# KiCad board merisi_ob.kicad_pcb
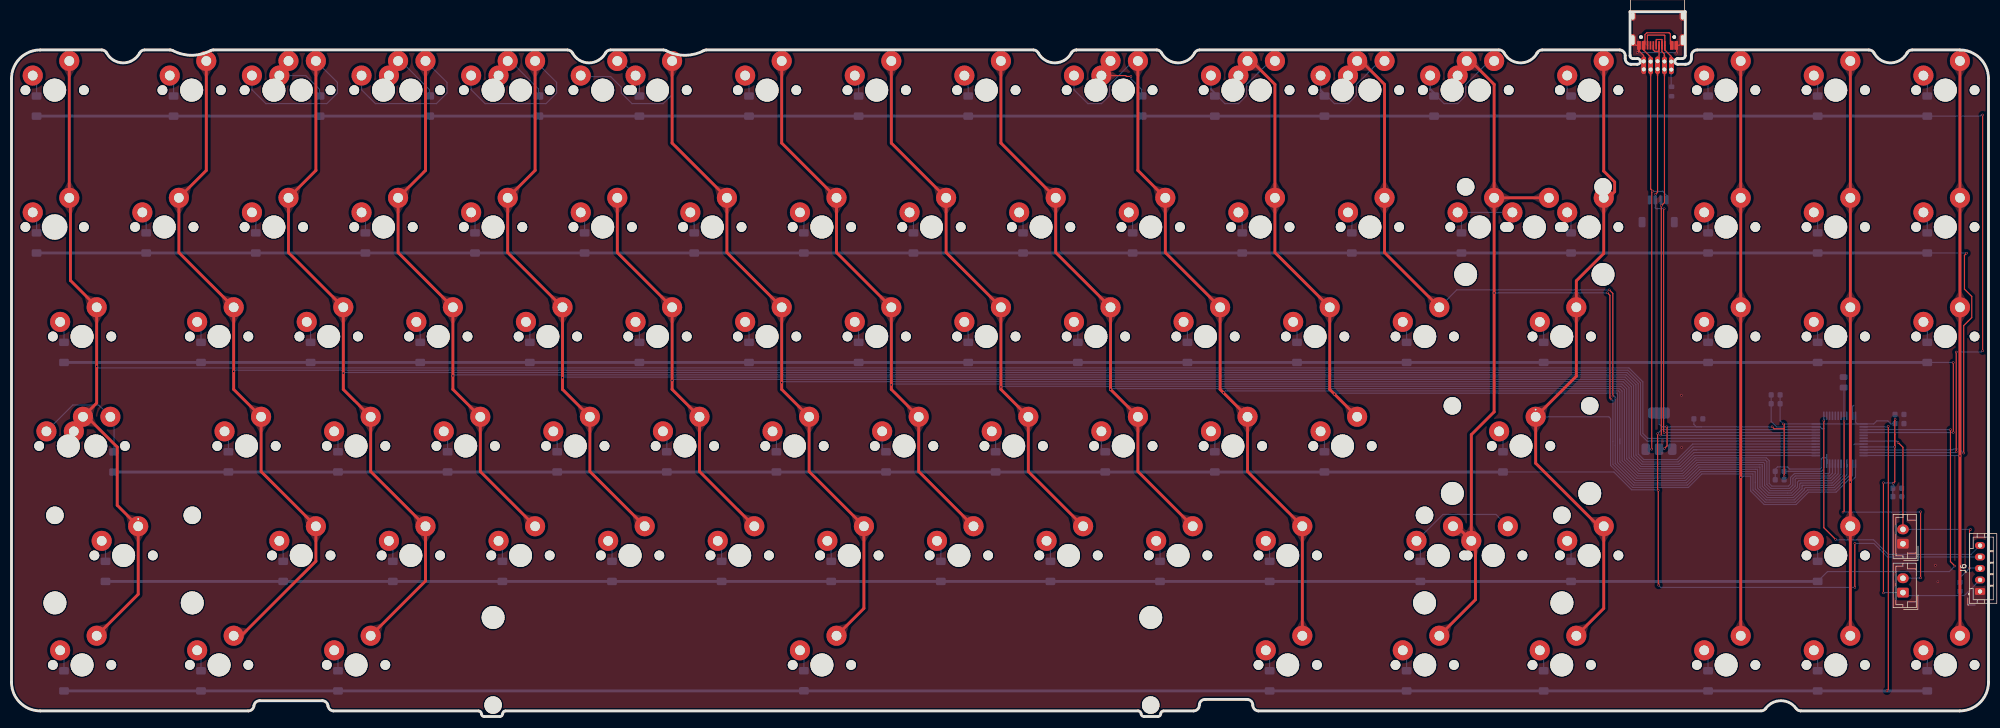
[diagram p0: board, top side]
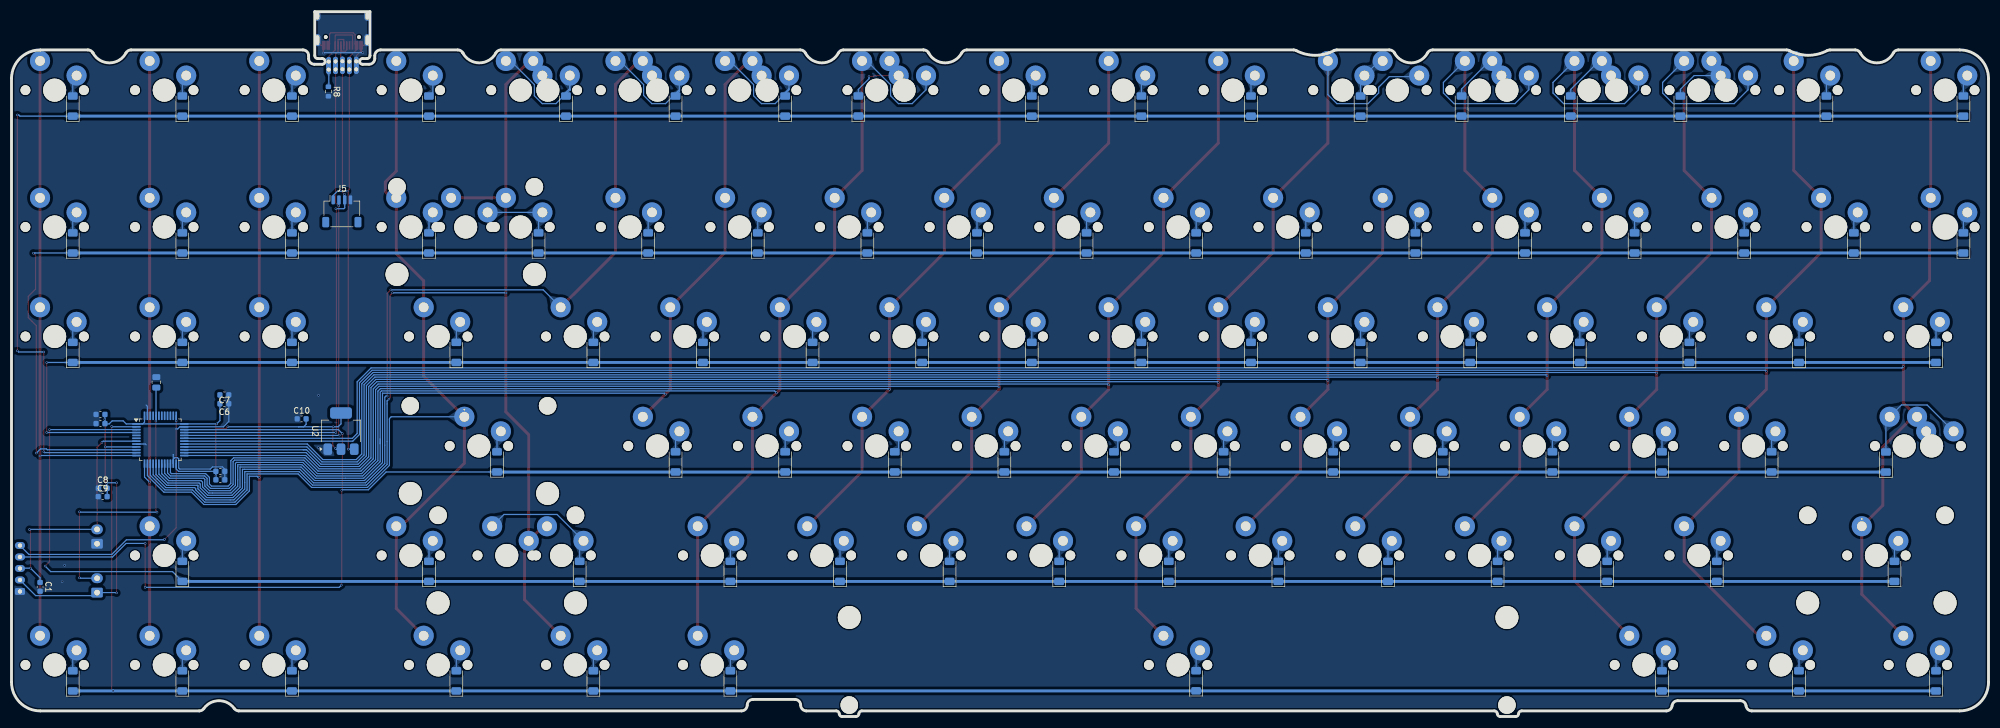
[diagram p1: board, bottom side, seen from below]

Outline 343.61 x 122.64 mm; copper layers: Top, Bottom. Coordinates in mm from the lower left corner of the outline.
Outline path: circle c7.5,85.17 r1.99 ; 0,110.99 0,5.97 arc(1.47,2.44) 5,0.97 41.14,0.97 arc(41.81,1.23) 42.14,1.86 arc(42.47,2.5) 43.13,2.75 54.01,2.75 arc(54.68,2.5) 55,1.86 arc(55.33,1.23) 56,0.98 81.17,0.98 arc(81.52,0.83) 81.67,0.49 arc(81.82,0.13) 82.19,0 84.89,0 arc(85.23,0.15) 85.37,0.49 arc(85.53,0.83) 85.87,0.97 195.83,0.97 arc(196.18,0.83) 196.33,0.49 arc(196.48,0.14) 196.85,0 199.27,0 arc(199.61,0.15) 199.75,0.49 arc(199.9,0.83) 200.24,0.97 205.45,0.97 arc(206.16,1.27) 206.45,1.97 arc(206.74,2.68) 207.45,2.97 214.74,2.97 arc(215.45,2.68) 215.74,1.97 arc(216.04,1.27) 216.74,0.97 304.09,0.97 arc(304.54,1.09) 304.9,1.39 arc(307.54,2.75) 310.18,1.39 arc(310.54,1.09) 310.99,0.98 338.61,0.97 arc(342.15,2.44) 343.61,5.98 343.61,111.05 arc(342.13,114.55) 338.61,115.99 330.34,115.99 arc(329.82,115.84) 329.46,115.46 arc(326.59,113.73) 323.72,115.46 arc(323.35,115.84) 322.84,115.99 292.97,115.99 arc(292.26,115.69) 291.97,114.99 291.97,114.49 arc(291.68,113.78) 290.97,113.49 289.61,113.49 arc(289.11,113.99) 289.61,114.49 290.41,114.49 arc(290.76,114.63) 290.91,114.99 290.91,122.64 281.31,122.64 281.31,114.98 arc(281.46,114.63) 281.81,114.49 282.61,114.49 arc(283.11,113.99) 282.6,113.49 281.47,113.49 arc(280.77,113.78) 280.47,114.49 280.47,114.99 arc(280.18,115.7) 279.47,115.99 266.04,115.99 arc(265.53,115.84) 265.16,115.46 arc(262.3,113.73) 259.43,115.46 arc(259.06,115.84) 258.54,115.99 206.52,115.99 arc(206,115.85) 205.63,115.46 arc(202.76,113.73) 199.89,115.46 arc(199.53,115.84) 199.01,115.99 185.09,115.99 arc(184.57,115.84) 184.2,115.46 arc(181.33,113.73) 178.47,115.46 arc(178.1,115.84) 177.58,115.99 120.79,115.99 arc(120.55,115.96) 120.32,115.87 arc(117.04,115.05) 113.76,115.87 arc(113.53,115.96) 113.29,115.99 104.13,115.99 arc(103.61,115.85) 103.24,115.46 arc(100.37,113.73) 97.5,115.46 arc(97.13,115.84) 96.62,115.99 35.07,115.99 arc(34.83,115.96) 34.6,115.87 arc(31.31,115.05) 28.03,115.87 arc(27.8,115.96) 27.56,115.99 23.16,115.99 arc(22.65,115.85) 22.28,115.46 arc(19.41,113.73) 16.54,115.46 arc(16.17,115.84) 15.66,115.99 5,115.99 arc(1.46,114.52) 0,110.99

## Placement (name value [footprint] x y rotation side)
C1  4.7uF  [C_0603_1608Metric]  338.64 22.56 270 bottom
C2  4.7uF  [C_0603_1608Metric]  328.14 52.56 180 bottom
C3  100nF  [C_0603_1608Metric]  328.14 50.96 180 bottom
C4  4.7uF  [C_0603_1608Metric]  307.32 41.19 0 bottom
C5  4.7uF  [C_0603_1608Metric]  307.32 42.66 0 bottom
C6  100nF  [C_0603_1608Metric]  306.62 54.42 0 bottom
C7  100nF  [C_0603_1608Metric]  306.62 55.96 0 bottom
C8  4.7uF  [C_0603_1608Metric]  327.76 39.72 180 bottom
C9  100nF  [C_0603_1608Metric]  327.77 38.26 180 bottom
C10  4.7uF  [C_0603_1608Metric]  293.18 51.79 180 bottom
D1  D_Small  [D_MiniMELF]  4.36 82.4 90 bottom
D2  D_Small  [D_MiniMELF]  23.41 82.4 90 bottom
D3  D_Small  [D_MiniMELF]  42.46 82.4 90 bottom
D4  D_Small  [D_MiniMELF]  61.51 82.4 90 bottom
D5  D_Small  [D_MiniMELF]  80.56 82.4 90 bottom
D6  D_Small  [D_MiniMELF]  99.61 82.4 90 bottom
D7  D_Small  [D_MiniMELF]  118.66 82.4 90 bottom
D8  D_Small  [D_MiniMELF]  137.71 82.4 90 bottom
D9  D_Small  [D_MiniMELF]  156.76 82.4 90 bottom
D10  D_Small  [D_MiniMELF]  175.81 82.4 90 bottom
D11  D_Small  [D_MiniMELF]  194.86 82.4 90 bottom
D12  D_Small  [D_MiniMELF]  213.91 82.4 90 bottom
D13  D_Small  [D_MiniMELF]  232.96 82.4 90 bottom
D14  D_Small  [D_MiniMELF]  252.01 82.4 90 bottom
D15  D_Small  [D_MiniMELF]  271.06 82.4 90 bottom
D16  D_Small  [D_MiniMELF]  294.87 82.4 90 bottom
D17  D_Small  [D_MiniMELF]  313.92 82.4 90 bottom
D18  D_Small  [D_MiniMELF]  332.97 82.4 90 bottom
D19  D_Small  [D_MiniMELF]  4.36 106.22 90 bottom
D20  D_Small  [D_MiniMELF]  28.17 106.22 90 bottom
D21  D_Small  [D_MiniMELF]  53.55 106.22 90 bottom
D22  D_Small  [D_MiniMELF]  72.61 106.23 90 bottom
D23  D_Small  [D_MiniMELF]  91.58 106.22 90 bottom
D24  D_Small  [D_MiniMELF]  9.12 63.35 90 bottom
D25  D_Small  [D_MiniMELF]  109.13 106.22 90 bottom
D26  D_Small  [D_MiniMELF]  128.18 106.22 90 bottom
D27  D_Small  [D_MiniMELF]  147.23 106.22 90 bottom
D28  D_Small  [D_MiniMELF]  166.28 106.22 90 bottom
D29  D_Small  [D_MiniMELF]  196.43 106.23 90 bottom
D30  D_Small  [D_MiniMELF]  209.15 106.22 90 bottom
D31  D_Small  [D_MiniMELF]  228.2 106.22 90 bottom
D32  D_Small  [D_MiniMELF]  247.25 106.22 90 bottom
D33  D_Small  [D_MiniMELF]  271.06 106.22 90 bottom
D34  D_Small  [D_MiniMELF]  294.87 106.22 90 bottom
D35  D_Small  [D_MiniMELF]  313.92 106.22 90 bottom
D36  D_Small  [D_MiniMELF]  332.97 106.22 90 bottom
D37  D_Small  [D_MiniMELF]  32.93 63.35 90 bottom
D38  D_Small  [D_MiniMELF]  51.98 63.35 90 bottom
D39  D_Small  [D_MiniMELF]  71.03 63.35 90 bottom
D40  D_Small  [D_MiniMELF]  90.08 63.35 90 bottom
D41  D_Small  [D_MiniMELF]  109.13 63.35 90 bottom
D42  D_Small  [D_MiniMELF]  128.18 63.35 90 bottom
D43  D_Small  [D_MiniMELF]  147.23 63.35 90 bottom
D44  D_Small  [D_MiniMELF]  166.28 63.35 90 bottom
D45  D_Small  [D_MiniMELF]  185.33 63.35 90 bottom
D46  D_Small  [D_MiniMELF]  204.38 63.35 90 bottom
D47  D_Small  [D_MiniMELF]  223.43 63.35 90 bottom
D48  D_Small  [D_MiniMELF]  242.48 63.35 90 bottom
D49  D_Small  [D_MiniMELF]  17.83 44.28 90 bottom
D50  D_Small  [D_MiniMELF]  266.3 63.35 90 bottom
D51  D_Small  [D_MiniMELF]  294.87 63.35 90 bottom
D52  D_Small  [D_MiniMELF]  313.92 63.35 90 bottom
D53  D_Small  [D_MiniMELF]  332.97 63.35 90 bottom
D54  D_Small  [D_MiniMELF]  37.7 44.3 90 bottom
D55  D_Small  [D_MiniMELF]  56.75 44.3 90 bottom
D56  D_Small  [D_MiniMELF]  75.8 44.3 90 bottom
D57  D_Small  [D_MiniMELF]  94.85 44.3 90 bottom
D58  D_Small  [D_MiniMELF]  113.9 44.3 90 bottom
D59  D_Small  [D_MiniMELF]  132.95 44.3 90 bottom
D60  D_Small  [D_MiniMELF]  152 44.3 90 bottom
D61  D_Small  [D_MiniMELF]  171.05 44.3 90 bottom
D62  D_Small  [D_MiniMELF]  190.1 44.3 90 bottom
D63  D_Small  [D_MiniMELF]  209.15 44.3 90 bottom
D64  D_Small  [D_MiniMELF]  228.2 44.3 90 bottom
D65  D_Small  [D_MiniMELF]  16.34 25.25 90 bottom
D66  D_Small  [D_MiniMELF]  47.22 25.25 90 bottom
D67  D_Small  [D_MiniMELF]  259.23 44.3 90 bottom
D68  D_Small  [D_MiniMELF]  66.27 25.25 90 bottom
D69  D_Small  [D_MiniMELF]  85.32 25.25 90 bottom
D70  D_Small  [D_MiniMELF]  104.37 25.25 90 bottom
D71  D_Small  [D_MiniMELF]  123.42 25.25 90 bottom
D72  D_Small  [D_MiniMELF]  142.47 25.25 90 bottom
D73  D_Small  [D_MiniMELF]  161.52 25.25 90 bottom
D74  D_Small  [D_MiniMELF]  180.57 25.25 90 bottom
D75  D_Small  [D_MiniMELF]  199.62 25.25 90 bottom
D76  D_Small  [D_MiniMELF]  218.67 25.25 90 bottom
D77  D_Small  [D_MiniMELF]  9.12 6.2 90 bottom
D78  D_Small  [D_MiniMELF]  32.93 6.2 90 bottom
D79  D_Small  [D_MiniMELF]  244.86 25.25 90 bottom
D80  D_Small  [D_MiniMELF]  271.06 25.25 90 bottom
D81  D_Small  [D_MiniMELF]  56.75 6.2 90 bottom
D82  D_Small  [D_MiniMELF]  313.92 25.25 90 bottom
D86  D_Small  [D_MiniMELF]  137.72 6.22 90 bottom
D90  D_Small  [D_MiniMELF]  218.67 6.2 90 bottom
D93  D_Small  [D_MiniMELF]  242.48 6.2 90 bottom
D94  D_Small  [D_MiniMELF]  266.3 6.2 90 bottom
D95  D_Small  [D_MiniMELF]  294.87 6.2 90 bottom
D96  D_Small  [D_MiniMELF]  313.92 6.2 90 bottom
D97  D_Small  [D_MiniMELF]  332.97 6.2 90 bottom
J3  USB_C_Receptacle_USB2.0_14P  [USB_C_Receptacle_HRO_TYPE-C-31-M-12]  286.11 120.82 180 top
J5  Conn_01x04_Pin  [JST_SH_SM04B-SRSS-TB_1x04-1MP_P1.00mm_Horizontal]  286.2 87.9 180 bottom
J6  Conn_01x05_Socket  [JST_PH_B5B-PH-K_1x05_P2.00mm_Vertical]  342.14 21.76 90 top
R1  R_Small  [R_0805_2012Metric]  318.44 58.15 90 bottom
R8  5.6K  [R_0603_1608Metric]  288.54 108.75 270 bottom
REF**  -  [jumper]  287.29 112.09 0 top
REF**#2  -  [jumper]  283.69 112.11 0 top
REF**#3  jumper  [jumper#2]  286.09 112.12 0 top
REF**#4  -  [jumper]  288.48 112.07 0 top
REF**#5  -  [jumper]  284.89 112.08 0 top
SW1  SW_Push  [MXOnly-1U_N]  7.5 85.17 0 top
SW2  SW_Push  [MXOnly-1U_N]  26.55 85.17 0 top
SW3  SW_Push  [MXOnly-1U_N]  45.6 85.17 0 top
SW4  SW_Push  [MXOnly-1U_N]  64.65 85.17 0 top
SW5  SW_Push  [MXOnly-1U_N]  83.7 85.17 0 top
SW6  SW_Push  [MXOnly-1U_N]  102.75 85.17 0 top
SW7  SW_Push  [MXOnly-1U_N]  121.8 85.17 0 top
SW8  SW_Push  [MXOnly-1U_N]  140.85 85.17 0 top
SW9  SW_Push  [MXOnly-1U_N]  159.9 85.17 0 top
SW10  SW_Push  [MXOnly-1U_N]  178.95 85.17 0 top
SW11  SW_Push  [MXOnly-1U_N]  198 85.17 0 top
SW12  SW_Push  [MXOnly-1U_N]  217.05 85.17 0 top
SW13  SW_Push  [MXOnly-1U_N]  236.1 85.17 0 top
SW14  SW_Push  [MXOnly-1U_N]  255.15 85.17 0 top
SW15  SW_Push  [MXOnly-1U_N]  274.2 85.17 0 top
SW16  SW_Push  [MXOnly-1U_N]  298.01 85.17 0 top
SW17  SW_Push  [MXOnly-1U_N]  317.06 85.17 0 top
SW18  SW_Push  [MXOnly-1U_N]  336.11 85.17 0 top
SW19  SW_Push  [MXOnly-1U_N]  7.5 108.99 0 top
SW20  SW_Push  [MXOnly-1U_N]  31.31 108.99 0 top
SW21  SW_Push  [MXOnly-1U_N]  50.36 108.99 0 top
SW22  SW_Push  [MXOnly-1U_N]  69.41 108.99 0 top
SW23  SW_Push  [MXOnly-1U_N]  88.46 108.99 0 top
SW24  SW_Push  [MXOnly-1.5U_N]  12.26 66.12 0 top
SW25  SW_Push  [MXOnly-1U_N]  112.28 108.99 0 top
SW26  SW_Push  [MXOnly-1U_N]  131.33 108.99 0 top
SW27  SW_Push  [MXOnly-1U_N]  150.38 108.99 0 top
SW28  SW_Push  [MXOnly-1U_N]  169.43 108.99 0 top
SW29  SW_Push  [MXOnly-1U_N]  193.24 108.99 0 top
SW30  SW_Push  [MXOnly-1U_N]  212.29 108.99 0 top
SW31  SW_Push  [MXOnly-1U_N]  231.34 108.99 0 top
SW32  SW_Push  [MXOnly-1U_N]  250.39 108.99 0 top
SW33  SW_Push  [MXOnly-1U_N]  274.2 108.99 0 top
SW34  SW_Push  [MXOnly-1U_N]  298.01 108.99 0 top
SW35  SW_Push  [MXOnly-1U_N]  317.06 108.99 0 top
SW36  SW_Push  [MXOnly-1U_N]  336.11 108.99 0 top
SW37  SW_Push  [MXOnly-1U_N]  36.08 66.12 0 top
SW38  SW_Push  [MXOnly-1U_N]  55.13 66.12 0 top
SW39  SW_Push  [MXOnly-1U_N]  74.18 66.12 0 top
SW40  SW_Push  [MXOnly-1U_N]  93.23 66.12 0 top
SW41  SW_Push  [MXOnly-1U_N]  112.28 66.12 0 top
SW42  SW_Push  [MXOnly-1U_N]  131.33 66.12 0 top
SW43  SW_Push  [MXOnly-1U_N]  150.38 66.12 0 top
SW44  SW_Push  [MXOnly-1U_N]  169.43 66.12 0 top
SW45  SW_Push  [MXOnly-1U_N]  188.48 66.12 0 top
SW46  SW_Push  [MXOnly-1U_N]  207.53 66.12 0 top
SW47  SW_Push  [MXOnly-1U_N]  226.58 66.12 0 top
SW48  SW_Push  [MXOnly-1U_N]  245.63 66.12 0 top
SW49  SW_Push  [MXOnly-1.75U_N]  14.64 47.07 0 top
SW50  SW_Push  [MXOnly-1.5U_N]  269.44 66.12 0 top
SW51  SW_Push  [MXOnly-1U_N]  298.01 66.12 0 top
SW52  SW_Push  [MXOnly-1U_N]  317.06 66.12 0 top
SW53  SW_Push  [MXOnly-1U_N]  336.11 66.12 0 top
SW54  SW_Push  [MXOnly-1U_N]  40.84 47.07 0 top
SW55  SW_Push  [MXOnly-1U_N]  59.89 47.07 0 top
SW56  SW_Push  [MXOnly-1U_N]  78.94 47.07 0 top
SW57  SW_Push  [MXOnly-1U_N]  97.99 47.07 0 top
SW58  SW_Push  [MXOnly-1U_N]  117.04 47.07 0 top
SW59  SW_Push  [MXOnly-1U_N]  136.09 47.07 0 top
SW60  SW_Push  [MXOnly-1U_N]  155.14 47.07 0 top
SW61  SW_Push  [MXOnly-1U_N]  174.19 47.07 0 top
SW62  SW_Push  [MXOnly-1U_N]  193.24 47.07 0 top
SW63  SW_Push  [MXOnly-1U_N]  212.29 47.07 0 top
SW64  SW_Push  [MXOnly-1U_N]  231.34 47.07 0 top
SW65  SW_Push  [MXOnly-2.25U_N]  19.48 28.02 0 top
SW66  SW_Push  [MXOnly-1U_N]  50.36 28.02 0 top
SW67  SW_Push  [MXOnly-2.25U_N]  262.37 47.07 0 top
SW68  SW_Push  [MXOnly-1U_N]  69.41 28.02 0 top
SW69  SW_Push  [MXOnly-1U_N]  88.46 28.02 0 top
SW70  SW_Push  [MXOnly-1U_N]  107.51 28.02 0 top
SW71  SW_Push  [MXOnly-1U_N]  126.56 28.02 0 top
SW72  SW_Push  [MXOnly-1U_N]  145.61 28.02 0 top
SW73  SW_Push  [MXOnly-1U_N]  164.66 28.02 0 top
SW74  SW_Push  [MXOnly-1U_N]  183.71 28.02 0 top
SW75  SW_Push  [MXOnly-1U_N]  202.76 28.02 0 top
SW76  SW_Push  [MXOnly-1U_N]  221.81 28.02 0 top
SW77  SW_Push  [MXOnly-1.5U_N]  12.26 8.97 0 top
SW78  SW_Push  [MXOnly-1U_N]  36.08 8.97 0 top
SW79  SW_Push  [MXOnly-1.75U_N]  248.01 28.02 0 top
SW80  SW_Push  [MXOnly-1U_N]  274.2 28.02 0 top
SW81  SW_Push  [MXOnly-1.5U_N]  59.89 8.97 0 top
SW82  SW_Push  [MXOnly-1U_N]  317.06 28.02 0 top
SW86  SW_Push  [MXOnly-7U-ReversedStabilizers_N]  140.85 8.97 0 top
SW90  SW_Push  [MXOnly-1.5U_N]  221.81 8.97 0 top
SW93  SW_Push  [MXOnly-1U_N]  245.63 8.97 0 top
SW94  SW_Push  [MXOnly-1.5U_N]  269.44 8.97 0 top
SW95  SW_Push  [MXOnly-1U_N]  298.01 8.97 0 top
SW96  SW_Push  [MXOnly-1U_N]  317.06 8.97 0 top
SW97  SW_Push  [MXOnly-1U_N]  336.11 8.97 0 top
SW1000  SW_Push  [MXOnly-2.75U_N]  257.53 28.02 0 top
SW1001  SW_Push  [MXOnly-2U_N]  264.68 85.17 0 top
SW1002  SW_Push  [MXOnly-1.25U_N]  9.88 47.07 0 top
SW2001  SW_Push  [MXOnly-1U_N]  45.6 108.99 0 top
SW2002  SW_Push  [MXOnly-1U_N]  64.65 108.99 0 top
SW2003  SW_Push  [MXOnly-1U_N]  83.7 108.99 0 top
SW2004  SW_Push  [MXOnly-1U_N]  102.75 108.99 0 top
SW2008  SW_Push  [MXOnly-1U_N]  188.48 108.99 0 top
SW2009  SW_Push  [MXOnly-1U_N]  217.05 108.99 0 top
SW2010  SW_Push  [MXOnly-1U_N]  236.1 108.99 0 top
SW2011  SW_Push  [MXOnly-1U_N]  255.15 108.99 0 top
SWbôt1  SW_Push  [JST_EH_B2B-EH-A_1x02_P2.50mm_Vertical]  328.74 21.56 90 top
SWbôtrst1  SW_Push  [JST_EH_B2B-EH-A_1x02_P2.50mm_Vertical]  328.74 30.06 90 top
U2  AMS1117  [SOT-223-3_TabPin2]  286.34 49.66 90 bottom
U3  STM32F072-LQFP48  [LQFP-48_7x7mm_P0.5mm]  317.74 48.16 180 bottom

## Library data of the parts
C1-C10 = -: Description: Unpolarized capacitor, small symbol; ki_fp_filters: C_*
D1-D82 D86 D90 D93-D97 = -: Description: Diode, small symbol; Sim.Device: D; Sim.Pins: 1=K 2=A; ki_fp_filters: TO-???* *_Diode_* *SingleDiode* D_*
J3 = -: Datasheet: https://www.usb.org/sites/default/files/documents/usb_type-c.zip; Description: USB 2.0-only 14P Type-C Receptacle connector; ki_fp_filters: USB*C*Receptacle*
J5 = -: Description: Generic connector, single row, 01x04, script generated; ki_fp_filters: Connector*:*_1x??_*
J6 = -: Description: Generic connector, single row, 01x05, script generated; ki_fp_filters: Connector*:*_1x??_*
R1 R8 = -: Description: Resistor, small symbol; ki_fp_filters: R_*
SW1-SW82 SW86 SW90 SW93-SW97 SW1000-SW1002 SW2001-SW2004 SW2008-SW2011 SWbôt1 SWbôtrst1 = -: Description: Push button switch, generic, two pins
U2 = -: Datasheet: http://www.advanced-monolithic.com/pdf/ds1117.pdf; Description: 1A Low Dropout regulator, positive, adjustable output, SOT-223; ki_fp_filters: SOT?223*TabPin2*

## Footprints (pads in the part's own frame, mm; a bottom-side part is the same pattern mirrored in y, then rotated)
C_0603_1608Metric
  rrect 0.9x0.95 smd: 1(-0.775,0) 2(0.775,0)
D_MiniMELF
  rrect 1.3x1.7 smd: 1(-1.75,0) 2(1.75,0)
JST_EH_B2B-EH-A_1x02_P2.50mm_Vertical
  rrect 1.7x2 hole 1: 1(0,0)
  oval 1.7x2 hole 1: 2(2.5,0)
JST_PH_B5B-PH-K_1x05_P2.00mm_Vertical
  rrect 1.2x1.75 hole 0.75: 1(0,0)
  oval 1.2x1.75 hole 0.75: 2(2,0) 3(4,0) 4(6,0) 5(8,0)
JST_SH_SM04B-SRSS-TB_1x04-1MP_P1.00mm_Horizontal
  rrect 0.6x1.55 smd: 1(-1.5,2) 2(-0.5,2) 3(0.5,2) 4(1.5,2)
  rrect 1.2x1.8 smd: MP(-2.8,-1.875) MP(2.8,-1.875)
jumper
  oval 0.8x3 hole 0.7: 2(0,1.89) 2(0,0.5)
jumper#2
  oval 0.8x3 hole 0.7: 2(0,0.5) B6(0,1.89)
LQFP-48_7x7mm_P0.5mm
  rrect 1.475x0.3 smd: 1(-4.162,2.75) 2(-4.162,2.25) 3(-4.162,1.75) 4(-4.162,1.25) 5(-4.162,0.75) 6(-4.162,0.25) 7(-4.162,-0.25) 8(-4.162,-0.75) 9(-4.162,-1.25) 10(-4.162,-1.75) 11(-4.162,-2.25) 12(-4.162,-2.75) 25(4.162,-2.75) 26(4.162,-2.25) 27(4.162,-1.75) 28(4.162,-1.25) 29(4.162,-0.75) 30(4.162,-0.25) 31(4.162,0.25) 32(4.162,0.75) 33(4.162,1.25) 34(4.162,1.75) 35(4.162,2.25) 36(4.162,2.75)
  rrect 0.3x1.475 smd: 13(-2.75,-4.162) 14(-2.25,-4.162) 15(-1.75,-4.162) 16(-1.25,-4.162) 17(-0.75,-4.162) 18(-0.25,-4.162) 19(0.25,-4.162) 20(0.75,-4.162) 21(1.25,-4.162) 22(1.75,-4.162) 23(2.25,-4.162) 24(2.75,-4.162) 37(2.75,4.162) 38(2.25,4.162) 39(1.75,4.162) 40(1.25,4.162) 41(0.75,4.162) 42(0.25,4.162) 43(-0.25,4.162) 44(-0.75,4.162) 45(-1.25,4.162) 46(-1.75,4.162) 47(-2.25,4.162) 48(-2.75,4.162)
MXOnly-1.5U_N
  round 1.7 hole 1.7 unplated: (-5.08,0) (5.08,0)
  round 2.5 smd: (-3.81,2.55) (2.54,5.08)
  round 4 hole 4 unplated: (0,0)
  round 3.5 hole 1.7: 1(-3.81,2.54) 2(2.54,5.08)
MXOnly-1.25U_N
  round 1.7 hole 1.7 unplated: (-5.08,0) (5.08,0)
  round 2.5 smd: (-3.81,2.55) (2.54,5.08)
  round 4 hole 4 unplated: (0,0)
  round 3.5 hole 1.7: 1(-3.81,2.54) 2(2.54,5.08)
MXOnly-1.75U_N
  round 1.7 hole 1.7 unplated: (-5.08,0) (5.08,0)
  round 2.5 smd: (-3.81,2.55) (2.54,5.08)
  round 4 hole 4 unplated: (0,0)
  round 3.5 hole 1.7: 1(-3.81,2.54) 2(2.54,5.08)
MXOnly-1U_N
  round 1.7 hole 1.7 unplated: (-5.08,0) (5.08,0)
  round 2.5 smd: (-3.81,2.55) (2.54,5.08)
  round 4 hole 4 unplated: (0,0)
  round 3.5 hole 1.7: 1(-3.81,2.54) 2(2.54,5.08)
MXOnly-2.25U_N
  round 3.048 hole 3.048 unplated: (-11.938,6.985) (11.938,6.985)
  round 3.988 hole 3.988 unplated: (-11.938,-8.255) (11.938,-8.255)
  round 1.7 hole 1.7 unplated: (-5.08,0) (5.08,0)
  round 2.5 smd: (-3.81,2.55) (2.54,5.08)
  round 4 hole 4 unplated: (0,0)
  round 3.5 hole 1.7: 1(-3.81,2.54) 2(2.54,5.08)
  round 0.4 hole 0.3: 2(2.54,6.34)
MXOnly-2.75U_N
  round 3.048 hole 3.048 unplated: (-11.938,6.985) (11.938,6.985)
  round 3.988 hole 3.988 unplated: (-11.938,-8.255) (11.938,-8.255)
  round 1.7 hole 1.7 unplated: (-5.08,0) (5.08,0)
  round 2.5 smd: (-3.81,2.55) (2.54,5.08)
  round 4 hole 4 unplated: (0,0)
  round 3.5 hole 1.7: 1(-3.81,2.54) 2(2.54,5.08)
MXOnly-2U_N
  round 3.048 hole 3.048 unplated: (-11.938,6.985) (11.938,6.985)
  round 3.988 hole 3.988 unplated: (-11.938,-8.255) (11.938,-8.255)
  round 1.7 hole 1.7 unplated: (-5.08,0) (5.08,0)
  round 2.5 smd: (-3.81,2.55) (2.54,5.08)
  round 4 hole 4 unplated: (0,0)
  round 3.5 hole 1.7: 1(-3.81,2.54) 2(2.54,5.08)
MXOnly-7U-ReversedStabilizers_N
  round 3.988 hole 3.988 unplated: (-57.15,8.255) (57.15,8.255)
  round 3.048 hole 3.048 unplated: (-57.15,-6.985) (57.15,-6.985)
  round 1.7 hole 1.7 unplated: (-5.08,0) (5.08,0)
  round 2.5 smd: (-3.81,2.55) (2.54,5.08)
  round 4 hole 4 unplated: (0,0)
  round 3.5 hole 1.7: 1(-3.81,2.54) 2(2.54,5.08)
R_0603_1608Metric
  rrect 0.8x0.95 smd: 1(-0.825,0) 2(0.825,0)
R_0805_2012Metric